# KiCad board MEP-MAXI-85V-1-REV-2-Interface-Board.kicad_pcb
title: MEP MAXI 85V-1 REV 2 Interface Board; date: 2024-12-22; rev: X2; company: McMillan Enterprises; note: Hardware: Connor McMillan (connor@mcmillan.website); note: Firmware: John Gilcreast (johngilcreast@gmail.com)
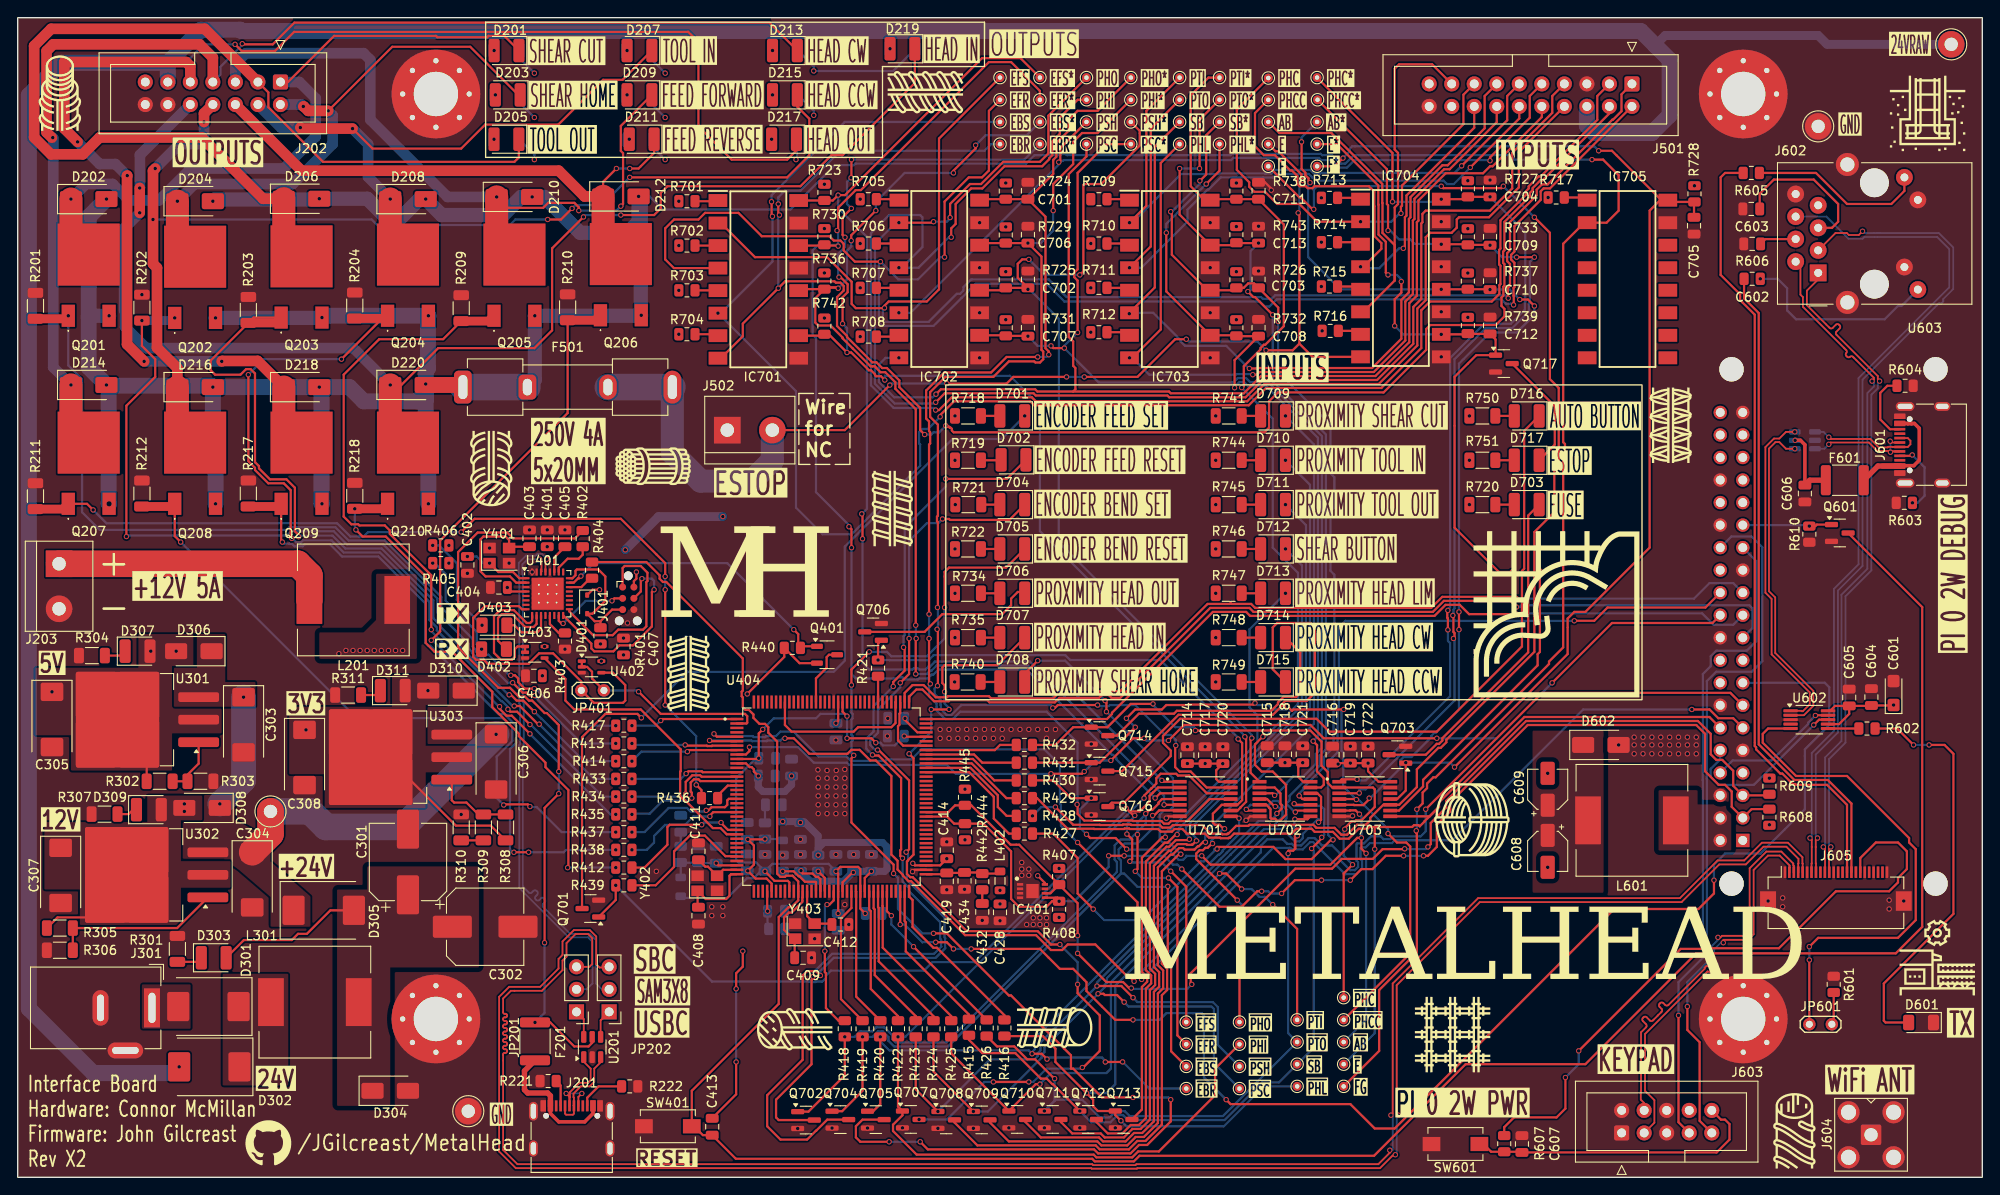
[diagram p0: board, top side]
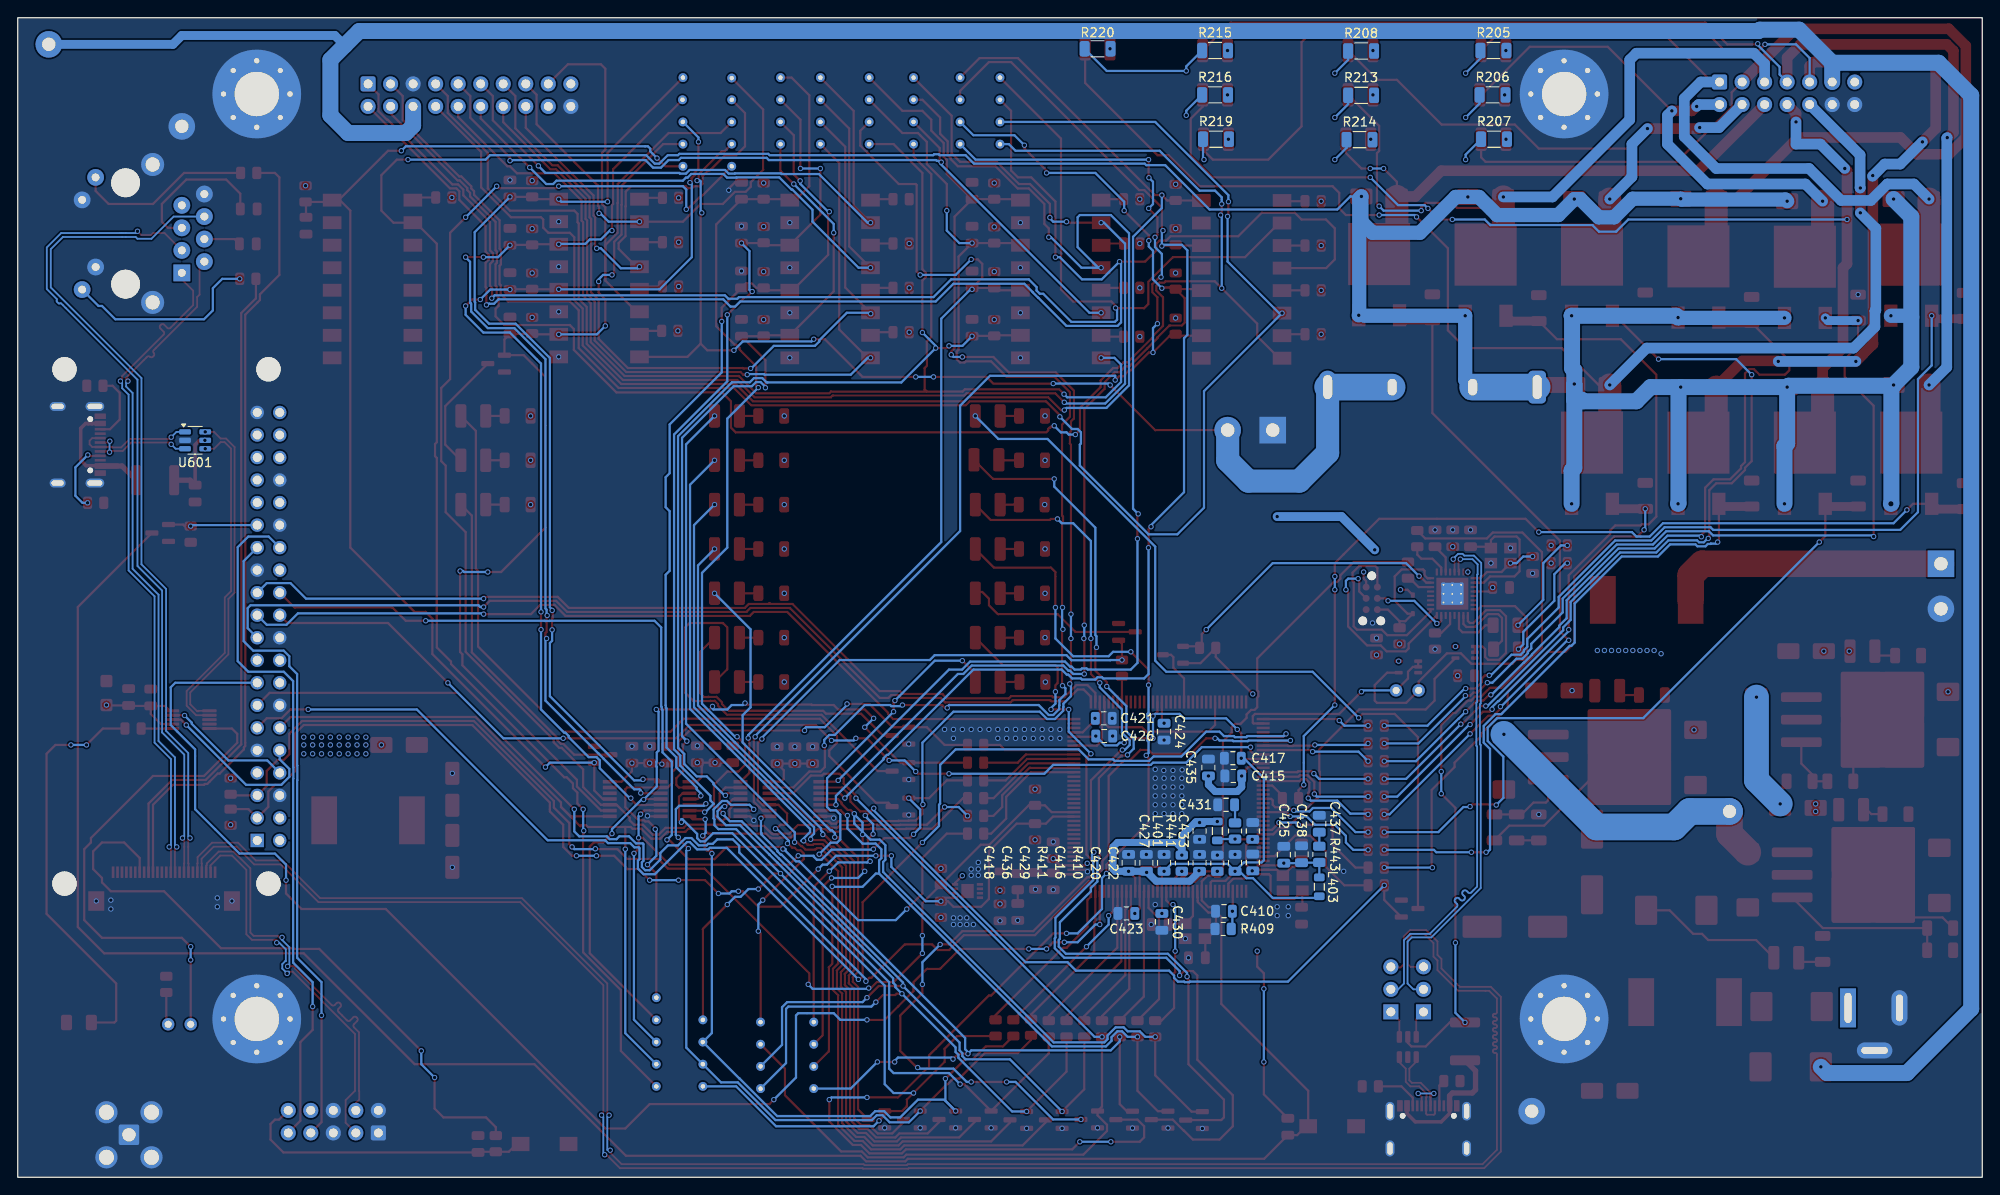
[diagram p1: board, bottom side, seen from below]

Outline 221.5 x 130.75 mm; copper layers: Top, In1.Cu (plane), In2.Cu (plane), Bottom. Coordinates in mm from the lower left corner of the outline.
Outline path: rectangle 0,130.75 221.5,0
Stack: Top 0.035mm / dielectric 0.1mm FR4 er 4.5 / In1.Cu 0.035mm / dielectric 1.24mm FR4 er 4.5 / In2.Cu 0.035mm / dielectric 0.1mm FR4 er 4.5 / Bottom 0.035mm

## Placement (name value [footprint] x y rotation side)
C301  330uF 25V  [CP_Elec_8x10.5]  44 35.55 90 top
C302  330uF 25V  [CP_Elec_8x10.5]  52.7 28.25 0 top
C303  10uF 50V  [CP_EIA-7343-31_Kemet-D]  25.46 51.02 270 top
C304  10uF 50V  [CP_EIA-7343-31_Kemet-D]  26.44 33.54 270 top
C305  10uF 50V  [CP_EIA-7343-31_Kemet-D]  3.86 51.62 270 top
C306  10uF 50V  [CP_EIA-7343-31_Kemet-D]  53.94 46.83 270 top
C307  10uF 50V  [CP_EIA-7343-31_Kemet-D]  4.84 34.04 270 top
C308  10uF 50V  [CP_EIA-7343-31_Kemet-D]  32.34 47.33 270 top
C401  100nF  [C_0805_2012Metric]  59.7 72.05 90 top
C402  22pF  [C_0805_2012Metric]  50.7 69.05 270 top
C403  22pF  [C_0805_2012Metric]  57.7 72.05 90 top
C404  100nF  [C_0805_2012Metric]  54.25 66.5 180 top
C405  1uF  [C_0805_2012Metric]  61.7 72.05 90 top
C406  100nF  [C_0805_2012Metric]  58.2 56.55 180 top
C407  100nF  [C_0805_2012Metric]  68.3 59.85 90 top
C408  22pF  [C_0805_2012Metric]  76.75 29.5 270 top
C409  22pF  [C_0805_2012Metric]  88.55 24.75 0 top
C410  10pF  [C_0805_2012Metric]  85.5 30 0 bottom
C411  22pF  [C_0805_2012Metric]  76.75 36.75 90 top
C412  22pF  [C_0805_2012Metric]  92.75 28.5 0 top
C413  10nF  [C_0805_2012Metric]  78.3 5.7 270 top
C414  100nF  [C_0805_2012Metric]  104.75 36.87 90 top
C415  100nF  [C_0805_2012Metric]  84.45 45.25 0 bottom
C416  100nF  [C_0805_2012Metric]  88.25 35.45 90 bottom
C417  100nF  [C_0805_2012Metric]  84.5 47.25 0 bottom
C418  100nF  [C_0805_2012Metric]  96.25 35.45 90 bottom
C419  100nF  [C_0805_2012Metric]  104.75 33.37 270 top
C420  100nF  [C_0805_2012Metric]  84.25 35.45 90 bottom
C421  100nF  [C_0805_2012Metric]  99.05 51.75 180 bottom
C422  100nF  [C_0805_2012Metric]  82.25 35.5 90 bottom
C423  100nF  [C_0805_2012Metric]  96.5 29.75 0 bottom
C424  100nF  [C_0805_2012Metric]  92.25 50.25 270 bottom
C425  100nF  [C_0805_2012Metric]  78.75 36.37 90 bottom
C426  100nF  [C_0805_2012Metric]  99 49.75 180 bottom
C427  100nF  [C_0805_2012Metric]  88.25 39.05 270 bottom
C428  100nF  [C_0805_2012Metric]  110.75 29.87 270 top
C429  4.7uF  [C_0805_2012Metric]  92.25 35.45 90 bottom
C430  100nF  [C_0805_2012Metric]  92.5 28.8 270 bottom
C431  4.7uF  [C_0805_2012Metric]  85.25 42 0 bottom
C432  4.7uF  [C_0805_2012Metric]  108.75 29.92 270 top
C433  100nF  [C_0805_2012Metric]  82.25 39.05 90 bottom
C434  100nF  [C_0805_2012Metric]  106.75 33.42 270 top
C435  4.7uF  [C_0805_2012Metric]  87.25 46.2 90 bottom
C436  4.7uF  [C_0805_2012Metric]  94.25 35.45 90 bottom
C437  4.7uF  [C_0805_2012Metric]  74.75 39.86 90 bottom
C438  100nF  [C_0805_2012Metric]  76.75 36.42 90 bottom
C601  10uF  [CP_EIA-3216-10_Kemet-I]  211.5 54.6 90 top
C602  100nF  [C_0805_2012Metric]  195.56 105.25 180 top
C603  100nF  [C_0805_2012Metric]  195.46 109.19 180 top
C604  0.1uF  [C_0805_2012Metric]  209 54.15 90 top
C605  0.1uF  [C_0805_2012Metric]  206.5 54.1 90 top
C606  100nF  [C_0805_2012Metric]  201.5 77.1 270 top
C607  100nF  [C_0805_2012Metric]  169.6 3.75 90 top
C608  470uF  [CP_Elec_4x5.4]  172.5 36.75 270 top
C609  470uF  [CP_Elec_4x5.4]  172.5 43.75 90 top
C701  1uF  [C_0805_2012Metric]  113.9 111.24 90 top
C702  1uF  [C_0805_2012Metric]  113.9 101.24 90 top
C703  1uF  [C_0805_2012Metric]  139.9 101.24 90 top
C704  1uF  [C_0805_2012Metric]  166 111.5 90 top
C705  1uF  [C_0805_2012Metric]  189 107.3 270 top
C706  1uF  [C_0805_2012Metric]  113.9 106.29 90 top
C707  1uF  [C_0805_2012Metric]  113.9 95.79 90 top
C708  1uF  [C_0805_2012Metric]  139.9 95.79 90 top
C709  1uF  [C_0805_2012Metric]  166 106.05 90 top
C710  1uF  [C_0805_2012Metric]  166 101.05 90 top
C711  1uF  [C_0805_2012Metric]  139.9 111.24 90 top
C712  1uF  [C_0805_2012Metric]  166 96.05 90 top
C713  1uF  [C_0805_2012Metric]  139.9 106.29 90 top
C714  47uF  [C_0805_2012Metric]  131.88 47.6 270 top
C715  47uF  [C_0805_2012Metric]  140.88 47.7 270 top
C716  47uF  [C_0805_2012Metric]  148.25 47.65 270 top
C717  47uF  [C_0805_2012Metric]  133.88 47.6 270 top
C718  47uF  [C_0805_2012Metric]  142.88 47.7 270 top
C719  47uF  [C_0805_2012Metric]  150.25 47.65 270 top
C720  47uF  [C_0805_2012Metric]  135.88 47.6 270 top
C721  47uF  [C_0805_2012Metric]  144.88 47.7 270 top
C722  47uF  [C_0805_2012Metric]  152.25 47.65 270 top
D201  RED  [LED_1210_3225Metric]  55.11 127.05 180 top
D202  SMAJ24A  [D_SMA]  8 110.3 0 top
D203  RED  [LED_1210_3225Metric]  55.25 122.05 180 top
D204  SMAJ24A  [D_SMA]  20 110.06 0 top
D205  RED  [LED_1210_3225Metric]  55.1 117.05 180 top
D206  SMAJ24A  [D_SMA]  32 110.34 0 top
D207  RED  [LED_1210_3225Metric]  70.1 127.05 180 top
D208  SMAJ24A  [D_SMA]  44 110.3 0 top
D209  RED  [LED_1210_3225Metric]  70.1 122.05 180 top
D210  SMAJ24A  [D_SMA]  56 110.54 0 top
D211  RED  [LED_1210_3225Metric]  70.35 117.05 180 top
D212  SMAJ24A  [D_SMA]  68 110.6 0 top
D213  RED  [LED_1210_3225Metric]  86.5 127.05 180 top
D214  SMAJ24A  [D_SMA]  8 89.34 0 top
D215  RED  [LED_1210_3225Metric]  86.5 122.05 180 top
D216  SMAJ24A  [D_SMA]  20 89.1 0 top
D217  RED  [LED_1210_3225Metric]  86.4 117.05 180 top
D218  SMAJ24A  [D_SMA]  32 89.1 0 top
D219  RED  [LED_1210_3225Metric]  99.75 127.25 180 top
D220  SMAJ24A  [D_SMA]  44 89.34 0 top
D301  SS10100  [D_SMC]  21.5 19.25 180 top
D302  SS10100  [D_SMC]  21.6 12.45 180 top
D303  BLUE  [LED_1210_3225Metric]  22.1 24.75 0 top
D304  SMAZ27-ZJN  [D_SMA]  42 9.75 0 top
D305  SS10100  [D_SMC]  34.5 30.1 0 top
D306  1N4002 M2  [D_SMA]  19.86 59.32 180 top
D307  WHITE  [LED_1210_3225Metric]  13.51 59.32 0 top
D308  1N4002 M2  [D_SMA]  20.79 41.65 180 top
D309  GREEN  [LED_1210_3225Metric]  14.79 41.45 0 top
D310  1N4002 M2  [D_SMA]  48.29 54.87 180 top
D311  YELLOW  [LED_1210_3225Metric]  42.29 54.87 0 top
D401  1N4148W  [D_SOD-323]  64.2 64.6 270 top
D402  YELLOW  [LED_1206_3216Metric]  53.7 59.55 180 top
D403  GREEN  [LED_1206_3216Metric]  53.75 62.25 180 top
D601  GREEN  [LED_1206_3216Metric]  214.6 17.45 180 top
D602  SS34  [D_SMA]  178.5 48.75 0 top
D701  BLUE  [LED_1210_3225Metric]  112.14 85.85 180 top
D702  BLUE  [LED_1210_3225Metric]  112.28 80.9 180 top
D703  BLUE  [LED_1210_3225Metric]  170.14 75.85 180 top
D704  BLUE  [LED_1210_3225Metric]  112.14 75.85 180 top
D705  BLUE  [LED_1210_3225Metric]  112.14 70.85 180 top
D706  BLUE  [LED_1210_3225Metric]  112.14 65.85 180 top
D707  BLUE  [LED_1210_3225Metric]  112.14 60.85 180 top
D708  BLUE  [LED_1210_3225Metric]  112.14 55.85 180 top
D709  BLUE  [LED_1210_3225Metric]  141.54 85.85 180 top
D710  BLUE  [LED_1210_3225Metric]  141.54 80.85 180 top
D711  BLUE  [LED_1210_3225Metric]  141.54 75.85 180 top
D712  BLUE  [LED_1210_3225Metric]  141.54 70.85 180 top
D713  BLUE  [LED_1210_3225Metric]  141.54 65.85 180 top
D714  BLUE  [LED_1210_3225Metric]  141.54 60.85 180 top
D715  BLUE  [LED_1210_3225Metric]  141.54 55.85 180 top
D716  BLUE  [LED_1210_3225Metric]  170.14 85.85 180 top
D717  RED  [LED_1210_3225Metric]  170.14 80.85 180 top
F201  500mA  [Fuse_1812_4532Metric]  58.32 15.32 90 top
F501  3512P  [Fuseholder_Clip-5x20mm_Keystone_3512P_Inline_P23.62x7.27mm_D1.02x2.41x1.02x1.57mm_Horizontal]  50.19 89.1 0 top
F601  500mA  [Fuse_1812_4532Metric]  206 78.6 180 top
H101  MountingHole_Pad  [MountingHole_5mm_Pad_Via]  194.55 122.15 0 top
H102  MountingHole_Pad  [MountingHole_5mm_Pad_Via]  47.15 122.15 0 top
H103  MountingHole_Pad  [MountingHole_5mm_Pad_Via]  194.55 17.85 0 top
H104  MountingHole_Pad  [MountingHole_5mm_Pad_Via]  47.15 17.85 0 top
IC401  AT24C256C-MAHL-E  [SON50P300X200X60-9L]  114.41 32.28 0 top
IC701  LTV-846S  [LTV846S]  83.5 101.25 0 top
IC702  LTV-846S  [LTV846S]  103.9 101.29 0 top
IC703  LTV-846S  [LTV846S]  129.9 101.29 0 top
IC704  LTV-846S  [LTV846S]  155.95 101.4 0 top
IC705  LTV-846S  [LTV846S]  181.5 101.29 0 top
J201  USB_C_Receptacle_USB2.0_16P  [USB_C_Receptacle_G-Switch_GT-USB-7010ASV]  62.46 4.32 0 top
J202  Conn_02x07_Odd_Even  [IDC-Header_2x07_P2.54mm_Vertical]  29.62 123.5 270 top
J203  Screw_Terminal_01x02  [TerminalBlock_bornier-2_P5.08mm]  4.66 69.18 270 top
J301  Barrel_Jack_MountingPin  [BarrelJack_Wuerth_6941xx301002]  15.14 19.1 270 top
J401  TC2030  [Tag-Connect_TC2030-IDC-NL_2x03_P1.27mm_Vertical]  68.83 65.28 270 top
J501  Conn_02x10_Odd_Even  [IDC-Header_2x10_P2.54mm_Vertical]  182 123.29 270 top
J502  Screw_Terminal_01x02  [TerminalBlock_bornier-2_P5.08mm]  80 84.25 0 top
J601  USB_C_Receptacle_USB2.0_16P  [USB_C_Receptacle_G-Switch_GT-USB-7010ASV]  215.93 82.6 90 top
J602  -  [RJ45_Amphenol_RJMG1BD3B8K1ANR]  203 101.98 90 top
J603  Conn_02x05_Odd_Even  [IDC-Header_2x05_P2.54mm_Vertical]  180.84 5 90 top
J604  Conn_Coaxial  [SMA_Amphenol_901-143_Horizontal]  208.96 4.79 270 top
J605  Conn_01x24_MountingPin  [Hirose_FH12-24S-0.5SH_1x24-1MP_P0.50mm_Horizontal]  205 32.55 0 top
JP201  Jumper_3_Open  [PinHeader_1x03_P2.54mm_Vertical]  63 18.65 180 top
JP202  Jumper_3_Open  [PinHeader_1x03_P2.54mm_Vertical]  66.68 18.65 180 top
JP401  Jumper_2_Open  [TestPoint_2Pads_Pitch2.54mm_Drill0.8mm]  63.55 54.9 0 top
JP601  Jumper_2_Bridged  [TestPoint_2Pads_Pitch2.54mm_Drill0.8mm]  202 17.25 0 top
L201  470uH  [L_12x12mm_H8mm]  37.84 65.1 180 top
L301  470uH  [L_12x12mm_H8mm]  33.5 19.75 0 top
L401  10uH  [L_0805_2012Metric]  86.25 39.05 270 bottom
L402  10uH  [L_0805_2012Metric]  110.75 33.42 90 top
L403  10uH  [L_0805_2012Metric]  74.75 32.75 270 bottom
L601  470uH  [L_12x12mm_H8mm]  182 40.25 180 top
Q201  -  [IRFR7540TRPBF]  8 101.8 0 top
Q202  -  [IRFR7540TRPBF]  20 101.56 0 top
Q203  -  [IRFR7540TRPBF]  32 101.6 0 top
Q204  -  [IRFR7540TRPBF]  44 101.8 0 top
Q205  -  [IRFR7540TRPBF]  56 101.8 0 top
Q206  -  [IRFR7540TRPBF]  68 101.86 0 top
Q207  -  [IRFR7540TRPBF]  8 80.6 0 top
Q208  -  [IRFR7540TRPBF]  20 80.6 0 top
Q209  -  [IRFR7540TRPBF]  32 80.6 0 top
Q210  -  [IRFR7540TRPBF]  44 80.6 0 top
Q401  DMP3099L  [SOT-23-3]  91.25 58.92 0 top
Q601  BSS138 JI  [SOT-23]  205.44 72.65 0 top
Q701  BSS138 JI  [SOT-23]  64.56 30.3 180 top
Q702  BSS138 JI  [SOT-23]  88.88 6.45 0 top
Q703  BSS138 JI  [SOT-23]  155.56 47.65 180 top
Q704  BSS138 JI  [SOT-23]  92.75 6.5 0 top
Q705  BSS138 JI  [SOT-23]  96.75 6.5 0 top
Q706  BSS138 JI  [SOT-23]  96.44 61.5 180 top
Q707  BSS138 JI  [SOT-23]  100.69 6.52 0 top
Q708  BSS138 JI  [SOT-23]  104.69 6.47 0 top
Q709  BSS138 JI  [SOT-23]  108.69 6.47 0 top
Q710  BSS138 JI  [SOT-23]  112.69 6.52 0 top
Q711  BSS138 JI  [SOT-23]  116.69 6.52 0 top
Q712  BSS138 JI  [SOT-23]  120.69 6.52 0 top
Q713  BSS138 JI  [SOT-23]  124.69 6.52 0 top
Q714  BSS138 JI  [SOT-23]  121.97 49.8 0 top
Q715  BSS138 JI  [SOT-23]  121.97 45.8 0 top
Q716  BSS138 JI  [SOT-23]  121.97 41.8 0 top
Q717  BSS138 JI  [SOT-23]  167.56 91.75 0 top
R201  10K  [R_1206_3216Metric]  2 98.26 270 top
R202  10K  [R_1206_3216Metric]  14 98.06 270 top
R203  10K  [R_1206_3216Metric]  26 97.8 270 top
R204  10K  [R_1206_3216Metric]  38 98.3 270 top
R205  200R  [R_1206_3216Metric]  55.11 127.05 180 bottom
R206  200R  [R_1206_3216Metric]  55.21 122.05 180 bottom
R207  200R  [R_1206_3216Metric]  55.05 117.05 180 bottom
R208  200R  [R_1206_3216Metric]  70.04 127 180 bottom
R209  10K  [R_1206_3216Metric]  50 98 270 top
R210  10K  [R_1206_3216Metric]  62 98.1 270 top
R211  10K  [R_1206_3216Metric]  2 76.8 270 top
R212  10K  [R_1206_3216Metric]  14 77.1 270 top
R213  200R  [R_1206_3216Metric]  70.04 122 180 bottom
R214  200R  [R_1206_3216Metric]  70.21 117 180 bottom
R215  200R  [R_1206_3216Metric]  86.5 127.05 180 bottom
R216  200R  [R_1206_3216Metric]  86.5 122.05 180 bottom
R217  10K  [R_1206_3216Metric]  26 77.1 270 top
R218  10K  [R_1206_3216Metric]  38 76.84 270 top
R219  200R  [R_1206_3216Metric]  86.4 117.05 180 bottom
R220  200R  [R_1206_3216Metric]  99.75 127.25 180 bottom
R221  5K1  [R_0805_2012Metric]  59.8 10.85 0 top
R222  5K1  [R_0805_2012Metric]  69 10.25 180 top
R301  2K2  [R_1206_3216Metric]  18 25.75 270 top
R302  300R  [R_1206_3216Metric]  16 44.65 0 top
R303  900R  [R_1206_3216Metric]  20.6 44.65 0 top
R304  200R  [R_1206_3216Metric]  8.36 58.82 0 top
R305  300R  [R_1206_3216Metric]  4.75 28.1 0 top
R306  2K580  [R_1206_3216Metric]  4.75 25.6 180 top
R307  900R  [R_1206_3216Metric]  9.79 40.95 0 top
R308  300R  [R_1206_3216Metric]  55 39.45 90 top
R309  470R  [R_1206_3216Metric]  52.5 39.45 270 top
R310  22R  [R_1206_3216Metric]  50 39.45 90 top
R311  30R  [R_1206_3216Metric]  37.25 54.37 0 top
R401  10K  [R_0805_2012Metric]  65.7 61.05 270 top
R402  1K  [R_0805_2012Metric]  63.7 72.01 90 top
R403  10K  [R_0805_2012Metric]  61.7 60.46 90 top
R404  1K  [R_0805_2012Metric]  64.75 68.46 90 top
R405  300R  [R_0805_2012Metric]  47.7 69.25 0 top
R406  200R  [R_0805_2012Metric]  47.7 71.25 0 top
R407  4K7  [R_0805_2012Metric]  117.41 33.91 270 top
R408  4K7  [R_0805_2012Metric]  117.41 30.21 270 top
R409  6K8  [R_0805_2012Metric]  85.59 28 0 bottom
R410  0R  [R_0805_2012Metric]  86.25 35.41 90 bottom
R411  100K  [R_0805_2012Metric]  90.25 35.41 90 bottom
R412  33R  [R_0805_2012Metric]  68.34 34.92 180 top
R413  33R  [R_0805_2012Metric]  68.34 48.92 180 top
R414  33R  [R_0805_2012Metric]  68.34 46.92 180 top
R415  33R  [R_0805_2012Metric]  107.25 16.92 270 top
R416  33R  [R_0805_2012Metric]  111.25 16.83 270 top
R417  33R  [R_0805_2012Metric]  68.34 50.92 180 top
R418  33R  [R_0805_2012Metric]  93.25 16.75 270 top
R419  33R  [R_0805_2012Metric]  95.25 16.75 270 top
R420  33R  [R_0805_2012Metric]  97.25 16.75 270 top
R421  33R  [R_0805_2012Metric]  97 57.41 90 top
R422  33R  [R_0805_2012Metric]  99.25 16.75 270 top
R423  33R  [R_0805_2012Metric]  101.25 16.75 270 top
R424  33R  [R_0805_2012Metric]  103.25 16.75 270 top
R425  33R  [R_0805_2012Metric]  105.25 16.75 270 top
R426  33R  [R_0805_2012Metric]  109.25 16.83 270 top
R427  33R  [R_0805_2012Metric]  113.5 38.75 0 top
R428  33R  [R_0805_2012Metric]  113.5 40.75 0 top
R429  33R  [R_0805_2012Metric]  113.5 42.75 0 top
R430  33R  [R_0805_2012Metric]  113.5 44.75 0 top
R431  33R  [R_0805_2012Metric]  113.5 46.75 0 top
R432  33R  [R_0805_2012Metric]  113.5 48.75 0 top
R433  33R  [R_0805_2012Metric]  68.34 44.92 180 top
R434  33R  [R_0805_2012Metric]  68.34 42.92 180 top
R435  33R  [R_0805_2012Metric]  68.34 40.92 180 top
R436  33R  [R_0805_2012Metric]  78 42.75 180 top
R437  33R  [R_0805_2012Metric]  68.34 38.92 180 top
R438  33R  [R_0805_2012Metric]  68.34 36.92 180 top
R439  33R  [R_0805_2012Metric]  68.34 32.92 180 top
R440  10K  [R_0805_2012Metric]  87.34 59.69 0 top
R441  1R  [R_0805_2012Metric]  84.25 39.05 270 bottom
R442  1R  [R_0805_2012Metric]  108.75 33.33 90 top
R443  1R  [R_0805_2012Metric]  74.75 36.41 270 bottom
R444  4K7  [R_0805_2012Metric]  106.8 38.96 90 top
R445  4K7  [R_0805_2012Metric]  106.8 42.85 90 top
R601  0  [R_0805_2012Metric]  204.75 21.75 90 top
R602  30R  [R_0805_2012Metric]  208.5 50.6 180 top
R603  5K1  [R_0805_2012Metric]  212.71 76.05 0 top
R604  5K1  [R_0805_2012Metric]  212.8 89.25 180 top
R605  510R  [R_0805_2012Metric]  195.46 113.25 180 top
R606  510R  [R_0805_2012Metric]  195.56 101.31 180 top
R607  510R  [R_0805_2012Metric]  167.6 3.79 270 top
R608  4K7  [R_0805_2012Metric]  197.5 40.6 270 top
R609  4K7  [R_0805_2012Metric]  197.5 44.1 270 top
R610  10K  [R_0805_2012Metric]  202 72.51 270 top
R701  1K2  [R_0805_2012Metric]  75.45 110.06 0 top
R702  1K2  [R_0805_2012Metric]  75.45 105.06 0 top
R703  1K2  [R_0805_2012Metric]  75.45 100.01 0 top
R704  1K2  [R_0805_2012Metric]  75.45 95.06 0 top
R705  1K2  [R_0805_2012Metric]  95.9 110.29 0 top
R706  1K2  [R_0805_2012Metric]  95.9 105.29 0 top
R707  1K2  [R_0805_2012Metric]  95.9 100.29 0 top
R708  1K2  [R_0805_2012Metric]  95.9 94.79 0 top
R709  1K2  [R_0805_2012Metric]  121.9 110.29 0 top
R710  1K2  [R_0805_2012Metric]  121.9 105.29 0 top
R711  1K2  [R_0805_2012Metric]  121.9 100.29 0 top
R712  1K2  [R_0805_2012Metric]  121.9 95.29 0 top
R713  1K2  [R_0805_2012Metric]  147.9 110.44 0 top
R714  1K2  [R_0805_2012Metric]  147.9 105.44 0 top
R715  1K2  [R_0805_2012Metric]  147.9 100.44 0 top
R716  1K2  [R_0805_2012Metric]  147.98 95.44 0 top
R717  1K2  [R_0805_2012Metric]  173.46 110.48 0 top
R718  200R  [R_1206_3216Metric]  107.14 85.85 180 top
R719  200R  [R_1206_3216Metric]  107.14 80.85 180 top
R720  200R  [R_1206_3216Metric]  165.14 75.85 180 top
R721  200R  [R_1206_3216Metric]  107.17 75.85 180 top
R722  200R  [R_1206_3216Metric]  107.14 70.85 180 top
R723  100K  [R_0805_2012Metric]  90.95 111.06 270 top
R724  100K  [R_0805_2012Metric]  111.4 111.2 270 top
R725  100K  [R_0805_2012Metric]  111.4 101.2 270 top
R726  100K  [R_0805_2012Metric]  137.4 101.2 270 top
R727  100K  [R_0805_2012Metric]  163.5 111.46 270 top
R728  100K  [R_0805_2012Metric]  189.05 110.89 270 top
R729  100K  [R_0805_2012Metric]  111.4 106.25 270 top
R730  100K  [R_0805_2012Metric]  90.95 106.06 270 top
R731  100K  [R_0805_2012Metric]  111.4 95.79 270 top
R732  100K  [R_0805_2012Metric]  137.4 95.79 270 top
R733  100K  [R_0805_2012Metric]  163.5 106.05 270 top
R734  200R  [R_1206_3216Metric]  107.14 65.85 180 top
R735  200R  [R_1206_3216Metric]  107.14 60.85 180 top
R736  100K  [R_0805_2012Metric]  90.95 101.06 270 top
R737  100K  [R_0805_2012Metric]  163.5 101.05 270 top
R738  100K  [R_0805_2012Metric]  137.4 111.2 270 top
R739  100K  [R_0805_2012Metric]  163.5 96.05 270 top
R740  200R  [R_1206_3216Metric]  107.1 55.85 180 top
R741  200R  [R_1206_3216Metric]  136.54 85.85 180 top
R742  100K  [R_0805_2012Metric]  90.95 95.97 270 top
R743  100K  [R_0805_2012Metric]  137.4 106.29 270 top
R744  200R  [R_1206_3216Metric]  136.54 80.85 180 top
R745  200R  [R_1206_3216Metric]  136.54 75.85 180 top
R746  200R  [R_1206_3216Metric]  136.54 70.85 180 top
R747  200R  [R_1206_3216Metric]  136.54 65.85 180 top
R748  200R  [R_1206_3216Metric]  136.54 60.85 180 top
R749  200R  [R_1206_3216Metric]  136.54 55.85 180 top
R750  200R  [R_1206_3216Metric]  165.14 85.85 180 top
R751  200R  [R_1206_3216Metric]  165.14 80.85 180 top
SW401  SW_SPST_Omron_B3FS-100xP  [SW_SPST_EVQPE1]  73.3 5.75 0 top
SW601  SW_SPST_Omron_B3FS-100xP  [SW_SPST_EVQPE1]  162.1 3.75 180 top
TP701  Orange  [TestPoint_THTPad_D1.0mm_Drill0.5mm]  110.75 124 0 top
TP702  Orange  [TestPoint_THTPad_D1.0mm_Drill0.5mm]  120.5 124 0 top
TP703  Orange  [TestPoint_THTPad_D1.0mm_Drill0.5mm]  131 124 0 top
TP704  Orange  [TestPoint_THTPad_D1.0mm_Drill0.5mm]  141 123.95 0 top
TP705  Orange  [TestPoint_THTPad_D1.0mm_Drill0.5mm]  149.5 10.25 0 top
TP706  Yellow  [TestPoint_THTPad_D1.0mm_Drill0.5mm]  115.25 124 0 top
TP707  Yellow  [TestPoint_THTPad_D1.0mm_Drill0.5mm]  125.5 124 0 top
TP708  Yellow  [TestPoint_THTPad_D1.0mm_Drill0.5mm]  135.5 124 0 top
TP709  Yellow  [TestPoint_THTPad_D1.0mm_Drill0.5mm]  146.5 124 0 top
TP710  Yellow  [TestPoint_THTPad_D1.0mm_Drill0.5mm]  146.5 114 0 top
TP711  White  [TestPoint_THTPad_D1.0mm_Drill0.5mm]  131.75 17.5 0 top
TP712  White  [TestPoint_THTPad_D1.0mm_Drill0.5mm]  137.75 17.5 0 top
TP713  White  [TestPoint_THTPad_D1.0mm_Drill0.5mm]  144.25 17.75 0 top
TP714  White  [TestPoint_THTPad_D1.0mm_Drill0.5mm]  149.5 20.25 0 top
TP715  White  [TestPoint_THTPad_D1.0mm_Drill0.5mm]  141 114 0 top
TP716  Red  [TestPoint_THTPad_D3.0mm_Drill1.5mm]  28.5 41.25 0 top
TP717  Orange  [TestPoint_THTPad_D1.0mm_Drill0.5mm]  110.75 121.5 0 top
TP718  Orange  [TestPoint_THTPad_D1.0mm_Drill0.5mm]  120.5 121.5 0 top
TP719  Orange  [TestPoint_THTPad_D1.0mm_Drill0.5mm]  131 121.5 0 top
TP720  Orange  [TestPoint_THTPad_D1.0mm_Drill0.5mm]  141 121.5 0 top
TP721  Yellow  [TestPoint_THTPad_D1.0mm_Drill0.5mm]  115.25 121.5 0 top
TP722  Yellow  [TestPoint_THTPad_D1.0mm_Drill0.5mm]  125.5 121.5 0 top
TP723  Yellow  [TestPoint_THTPad_D1.0mm_Drill0.5mm]  135.5 121.5 0 top
TP724  Yellow  [TestPoint_THTPad_D1.0mm_Drill0.5mm]  146.55 121.5 0 top
TP725  White  [TestPoint_THTPad_D1.0mm_Drill0.5mm]  131.75 15 0 top
TP726  White  [TestPoint_THTPad_D1.0mm_Drill0.5mm]  137.75 15 0 top
TP727  White  [TestPoint_THTPad_D1.0mm_Drill0.5mm]  144.25 15.25 0 top
TP728  White  [TestPoint_THTPad_D1.0mm_Drill0.5mm]  149.5 17.75 0 top
TP729  Red  [TestPoint_THTPad_D3.0mm_Drill1.5mm]  218 127.75 0 top